# KiCad board pi_attenuator_panel.kicad_pcb
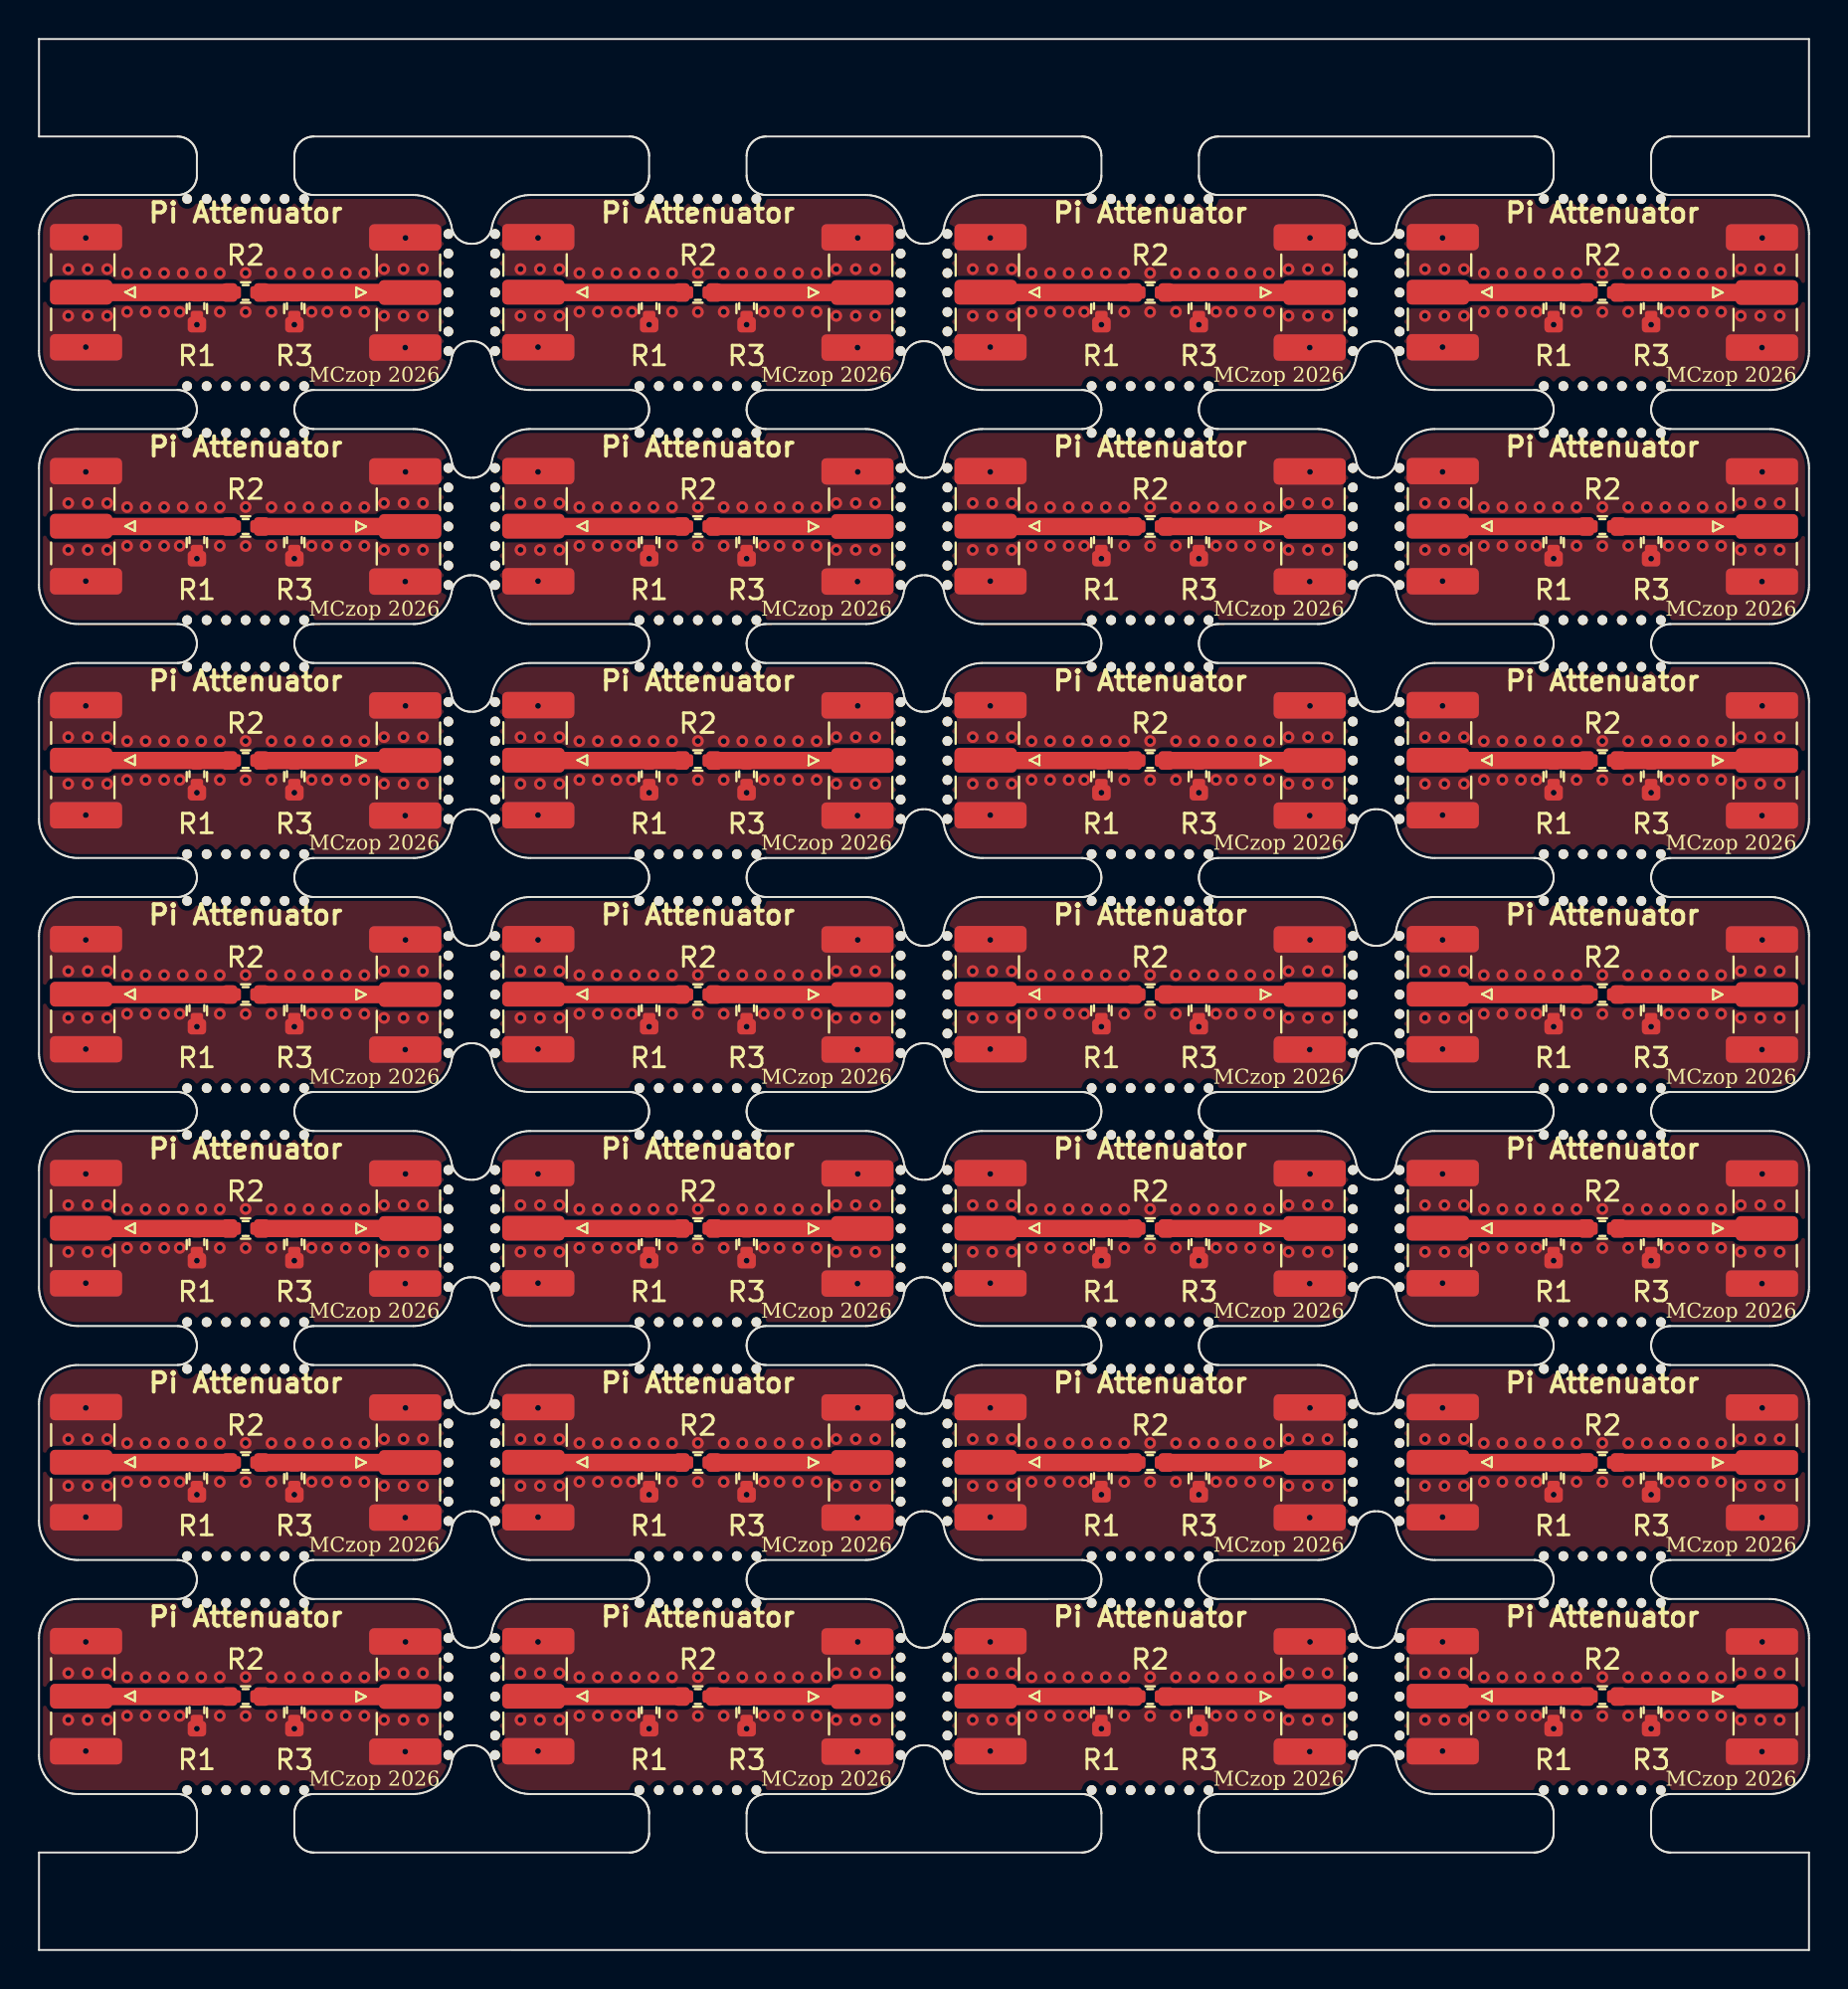
[diagram p0: board, top side]
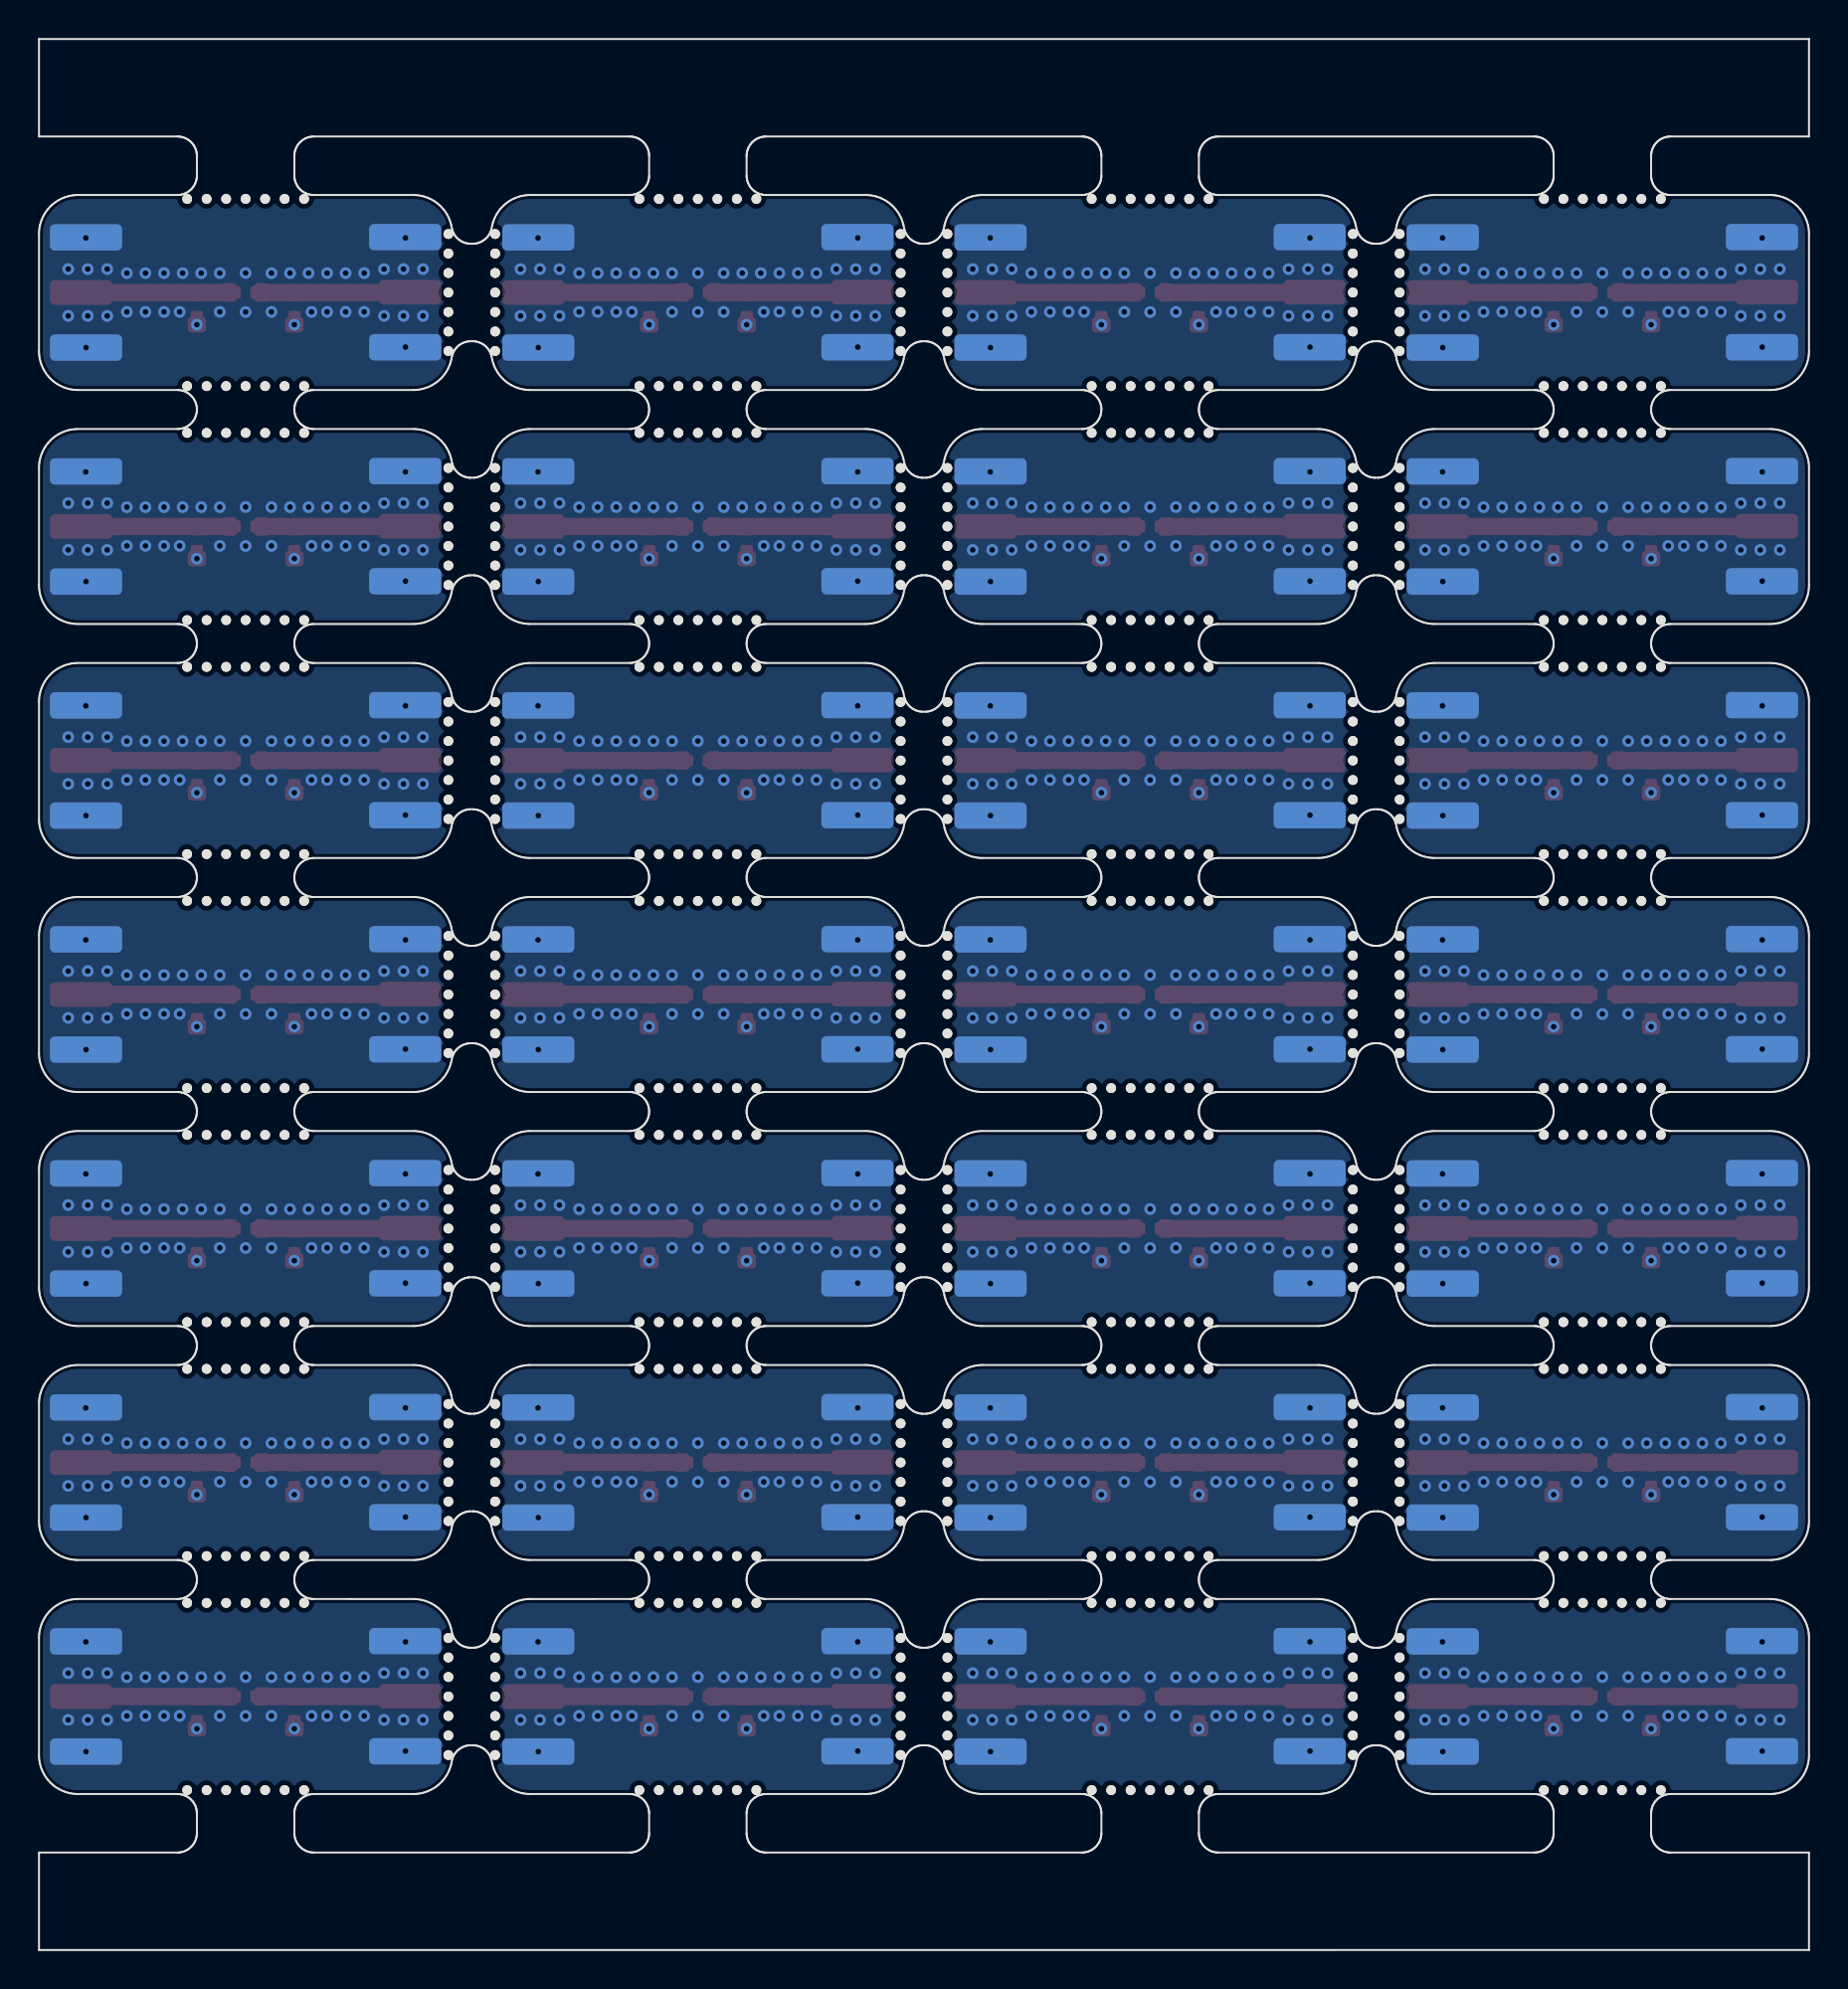
[diagram p1: board, bottom side, seen from below]

Outline 90.8 x 98 mm; copper layers: Top, Bottom. Coordinates in mm from the lower left corner of the outline.

## Placement (name value [footprint] x y rotation side)
J1  RFIN  [SMA_Samtec_SMA-J-P-H-ST-EM1_EdgeMount]  2.16 73.02 180 top
J1#2  RFIN  [SMA_Samtec_SMA-J-P-H-ST-EM1_EdgeMount]  2.16 49.02 180 top
J1#3  RFIN  [SMA_Samtec_SMA-J-P-H-ST-EM1_EdgeMount]  2.16 61.02 180 top
J1#4  RFIN  [SMA_Samtec_SMA-J-P-H-ST-EM1_EdgeMount]  2.16 13.02 180 top
J1#5  RFIN  [SMA_Samtec_SMA-J-P-H-ST-EM1_EdgeMount]  48.56 49.02 180 top
J1#6  RFIN  [SMA_Samtec_SMA-J-P-H-ST-EM1_EdgeMount]  25.36 25.02 180 top
J1#7  RFIN  [SMA_Samtec_SMA-J-P-H-ST-EM1_EdgeMount]  71.76 85.02 180 top
J1#8  RFIN  [SMA_Samtec_SMA-J-P-H-ST-EM1_EdgeMount]  25.36 73.02 180 top
J1#9  RFIN  [SMA_Samtec_SMA-J-P-H-ST-EM1_EdgeMount]  48.56 61.02 180 top
J1#10  RFIN  [SMA_Samtec_SMA-J-P-H-ST-EM1_EdgeMount]  2.16 25.02 180 top
J1#11  RFIN  [SMA_Samtec_SMA-J-P-H-ST-EM1_EdgeMount]  71.76 37.02 180 top
J1#12  RFIN  [SMA_Samtec_SMA-J-P-H-ST-EM1_EdgeMount]  48.56 85.02 180 top
J1#13  RFIN  [SMA_Samtec_SMA-J-P-H-ST-EM1_EdgeMount]  48.56 13.02 180 top
J1#14  RFIN  [SMA_Samtec_SMA-J-P-H-ST-EM1_EdgeMount]  25.36 37.02 180 top
J1#15  RFIN  [SMA_Samtec_SMA-J-P-H-ST-EM1_EdgeMount]  25.36 61.02 180 top
J1#16  RFIN  [SMA_Samtec_SMA-J-P-H-ST-EM1_EdgeMount]  25.36 49.02 180 top
J1#17  RFIN  [SMA_Samtec_SMA-J-P-H-ST-EM1_EdgeMount]  71.76 25.02 180 top
J1#18  RFIN  [SMA_Samtec_SMA-J-P-H-ST-EM1_EdgeMount]  25.36 13.02 180 top
J1#19  RFIN  [SMA_Samtec_SMA-J-P-H-ST-EM1_EdgeMount]  71.76 49.02 180 top
J1#20  RFIN  [SMA_Samtec_SMA-J-P-H-ST-EM1_EdgeMount]  25.36 85.02 180 top
J1#21  RFIN  [SMA_Samtec_SMA-J-P-H-ST-EM1_EdgeMount]  71.76 61.02 180 top
J1#22  RFIN  [SMA_Samtec_SMA-J-P-H-ST-EM1_EdgeMount]  71.76 73.02 180 top
J1#23  RFIN  [SMA_Samtec_SMA-J-P-H-ST-EM1_EdgeMount]  71.76 13.02 180 top
J1#24  RFIN  [SMA_Samtec_SMA-J-P-H-ST-EM1_EdgeMount]  48.56 25.02 180 top
J1#25  RFIN  [SMA_Samtec_SMA-J-P-H-ST-EM1_EdgeMount]  48.56 37.02 180 top
J1#26  RFIN  [SMA_Samtec_SMA-J-P-H-ST-EM1_EdgeMount]  2.16 85.02 180 top
J1#27  RFIN  [SMA_Samtec_SMA-J-P-H-ST-EM1_EdgeMount]  2.16 37.02 180 top
J1#28  RFIN  [SMA_Samtec_SMA-J-P-H-ST-EM1_EdgeMount]  48.56 73.02 180 top
J2  RFOUT  [SMA_Samtec_SMA-J-P-H-ST-EM1_EdgeMount]  88.64 73 0 top
J2#2  RFOUT  [SMA_Samtec_SMA-J-P-H-ST-EM1_EdgeMount]  42.24 49 0 top
J2#3  RFOUT  [SMA_Samtec_SMA-J-P-H-ST-EM1_EdgeMount]  19.04 85 0 top
J2#4  RFOUT  [SMA_Samtec_SMA-J-P-H-ST-EM1_EdgeMount]  19.04 25 0 top
J2#5  RFOUT  [SMA_Samtec_SMA-J-P-H-ST-EM1_EdgeMount]  42.24 37 0 top
J2#6  RFOUT  [SMA_Samtec_SMA-J-P-H-ST-EM1_EdgeMount]  88.64 85 0 top
J2#7  RFOUT  [SMA_Samtec_SMA-J-P-H-ST-EM1_EdgeMount]  65.44 61 0 top
J2#8  RFOUT  [SMA_Samtec_SMA-J-P-H-ST-EM1_EdgeMount]  42.24 61 0 top
J2#9  RFOUT  [SMA_Samtec_SMA-J-P-H-ST-EM1_EdgeMount]  88.64 37 0 top
J2#10  RFOUT  [SMA_Samtec_SMA-J-P-H-ST-EM1_EdgeMount]  42.24 73 0 top
J2#11  RFOUT  [SMA_Samtec_SMA-J-P-H-ST-EM1_EdgeMount]  42.24 13 0 top
J2#12  RFOUT  [SMA_Samtec_SMA-J-P-H-ST-EM1_EdgeMount]  42.24 85 0 top
J2#13  RFOUT  [SMA_Samtec_SMA-J-P-H-ST-EM1_EdgeMount]  65.44 73 0 top
J2#14  RFOUT  [SMA_Samtec_SMA-J-P-H-ST-EM1_EdgeMount]  88.64 61 0 top
J2#15  RFOUT  [SMA_Samtec_SMA-J-P-H-ST-EM1_EdgeMount]  65.44 25 0 top
J2#16  RFOUT  [SMA_Samtec_SMA-J-P-H-ST-EM1_EdgeMount]  65.44 49 0 top
J2#17  RFOUT  [SMA_Samtec_SMA-J-P-H-ST-EM1_EdgeMount]  88.64 13 0 top
J2#18  RFOUT  [SMA_Samtec_SMA-J-P-H-ST-EM1_EdgeMount]  65.44 85 0 top
J2#19  RFOUT  [SMA_Samtec_SMA-J-P-H-ST-EM1_EdgeMount]  65.44 37 0 top
J2#20  RFOUT  [SMA_Samtec_SMA-J-P-H-ST-EM1_EdgeMount]  19.04 73 0 top
J2#21  RFOUT  [SMA_Samtec_SMA-J-P-H-ST-EM1_EdgeMount]  19.04 49 0 top
J2#22  RFOUT  [SMA_Samtec_SMA-J-P-H-ST-EM1_EdgeMount]  19.04 13 0 top
J2#23  RFOUT  [SMA_Samtec_SMA-J-P-H-ST-EM1_EdgeMount]  42.24 25 0 top
J2#24  RFOUT  [SMA_Samtec_SMA-J-P-H-ST-EM1_EdgeMount]  19.04 37 0 top
J2#25  RFOUT  [SMA_Samtec_SMA-J-P-H-ST-EM1_EdgeMount]  19.04 61 0 top
J2#26  RFOUT  [SMA_Samtec_SMA-J-P-H-ST-EM1_EdgeMount]  88.64 49 0 top
J2#27  RFOUT  [SMA_Samtec_SMA-J-P-H-ST-EM1_EdgeMount]  88.64 25 0 top
J2#28  RFOUT  [SMA_Samtec_SMA-J-P-H-ST-EM1_EdgeMount]  65.44 13 0 top
KiKit_MB_1_1  -  [NPTH]  21 88 0 top
KiKit_MB_1_2  -  [NPTH]  21 87 0 top
KiKit_MB_1_3  -  [NPTH]  21 86 0 top
KiKit_MB_1_4  -  [NPTH]  21 85 0 top
KiKit_MB_1_5  -  [NPTH]  21 84 0 top
KiKit_MB_1_6  -  [NPTH]  21 83 0 top
KiKit_MB_1_7  -  [NPTH]  21 82 0 top
KiKit_MB_2_1  -  [NPTH]  7.6 89.8 0 top
KiKit_MB_2_2  -  [NPTH]  8.6 89.8 0 top
KiKit_MB_2_3  -  [NPTH]  9.6 89.8 0 top
KiKit_MB_2_4  -  [NPTH]  10.6 89.8 0 top
KiKit_MB_2_5  -  [NPTH]  11.6 89.8 0 top
KiKit_MB_2_6  -  [NPTH]  12.6 89.8 0 top
KiKit_MB_2_7  -  [NPTH]  13.6 89.8 0 top
KiKit_MB_3_1  -  [NPTH]  13.6 80.2 0 top
KiKit_MB_3_2  -  [NPTH]  12.6 80.2 0 top
KiKit_MB_3_3  -  [NPTH]  11.6 80.2 0 top
KiKit_MB_3_4  -  [NPTH]  10.6 80.2 0 top
KiKit_MB_3_5  -  [NPTH]  9.6 80.2 0 top
KiKit_MB_3_6  -  [NPTH]  8.6 80.2 0 top
KiKit_MB_3_7  -  [NPTH]  7.6 80.2 0 top
KiKit_MB_4_1  -  [NPTH]  23.4 82 0 top
KiKit_MB_4_2  -  [NPTH]  23.4 83 0 top
KiKit_MB_4_3  -  [NPTH]  23.4 84 0 top
KiKit_MB_4_4  -  [NPTH]  23.4 85 0 top
KiKit_MB_4_5  -  [NPTH]  23.4 86 0 top
KiKit_MB_4_6  -  [NPTH]  23.4 87 0 top
KiKit_MB_4_7  -  [NPTH]  23.4 88 0 top
KiKit_MB_5_1  -  [NPTH]  44.2 88 0 top
KiKit_MB_5_2  -  [NPTH]  44.2 87 0 top
KiKit_MB_5_3  -  [NPTH]  44.2 86 0 top
KiKit_MB_5_4  -  [NPTH]  44.2 85 0 top
KiKit_MB_5_5  -  [NPTH]  44.2 84 0 top
KiKit_MB_5_6  -  [NPTH]  44.2 83 0 top
KiKit_MB_5_7  -  [NPTH]  44.2 82 0 top
KiKit_MB_6_1  -  [NPTH]  30.8 89.8 0 top
KiKit_MB_6_2  -  [NPTH]  31.8 89.8 0 top
KiKit_MB_6_3  -  [NPTH]  32.8 89.8 0 top
KiKit_MB_6_4  -  [NPTH]  33.8 89.8 0 top
KiKit_MB_6_5  -  [NPTH]  34.8 89.8 0 top
KiKit_MB_6_6  -  [NPTH]  35.8 89.8 0 top
KiKit_MB_6_7  -  [NPTH]  36.8 89.8 0 top
KiKit_MB_7_1  -  [NPTH]  36.8 80.2 0 top
KiKit_MB_7_2  -  [NPTH]  35.8 80.2 0 top
KiKit_MB_7_3  -  [NPTH]  34.8 80.2 0 top
KiKit_MB_7_4  -  [NPTH]  33.8 80.2 0 top
KiKit_MB_7_5  -  [NPTH]  32.8 80.2 0 top
KiKit_MB_7_6  -  [NPTH]  31.8 80.2 0 top
KiKit_MB_7_7  -  [NPTH]  30.8 80.2 0 top
KiKit_MB_8_1  -  [NPTH]  46.6 82 0 top
KiKit_MB_8_2  -  [NPTH]  46.6 83 0 top
KiKit_MB_8_3  -  [NPTH]  46.6 84 0 top
KiKit_MB_8_4  -  [NPTH]  46.6 85 0 top
KiKit_MB_8_5  -  [NPTH]  46.6 86 0 top
KiKit_MB_8_6  -  [NPTH]  46.6 87 0 top
KiKit_MB_8_7  -  [NPTH]  46.6 88 0 top
KiKit_MB_9_1  -  [NPTH]  67.4 88 0 top
KiKit_MB_9_2  -  [NPTH]  67.4 87 0 top
KiKit_MB_9_3  -  [NPTH]  67.4 86 0 top
KiKit_MB_9_4  -  [NPTH]  67.4 85 0 top
KiKit_MB_9_5  -  [NPTH]  67.4 84 0 top
KiKit_MB_9_6  -  [NPTH]  67.4 83 0 top
KiKit_MB_9_7  -  [NPTH]  67.4 82 0 top
KiKit_MB_10_1  -  [NPTH]  54 89.8 0 top
KiKit_MB_10_2  -  [NPTH]  55 89.8 0 top
KiKit_MB_10_3  -  [NPTH]  56 89.8 0 top
KiKit_MB_10_4  -  [NPTH]  57 89.8 0 top
KiKit_MB_10_5  -  [NPTH]  58 89.8 0 top
KiKit_MB_10_6  -  [NPTH]  59 89.8 0 top
KiKit_MB_10_7  -  [NPTH]  60 89.8 0 top
KiKit_MB_11_1  -  [NPTH]  60 80.2 0 top
KiKit_MB_11_2  -  [NPTH]  59 80.2 0 top
KiKit_MB_11_3  -  [NPTH]  58 80.2 0 top
KiKit_MB_11_4  -  [NPTH]  57 80.2 0 top
KiKit_MB_11_5  -  [NPTH]  56 80.2 0 top
KiKit_MB_11_6  -  [NPTH]  55 80.2 0 top
KiKit_MB_11_7  -  [NPTH]  54 80.2 0 top
KiKit_MB_12_1  -  [NPTH]  69.8 82 0 top
KiKit_MB_12_2  -  [NPTH]  69.8 83 0 top
KiKit_MB_12_3  -  [NPTH]  69.8 84 0 top
KiKit_MB_12_4  -  [NPTH]  69.8 85 0 top
KiKit_MB_12_5  -  [NPTH]  69.8 86 0 top
KiKit_MB_12_6  -  [NPTH]  69.8 87 0 top
KiKit_MB_12_7  -  [NPTH]  69.8 88 0 top
KiKit_MB_13_1  -  [NPTH]  77.2 89.8 0 top
KiKit_MB_13_2  -  [NPTH]  78.2 89.8 0 top
KiKit_MB_13_3  -  [NPTH]  79.2 89.8 0 top
KiKit_MB_13_4  -  [NPTH]  80.2 89.8 0 top
KiKit_MB_13_5  -  [NPTH]  81.2 89.8 0 top
KiKit_MB_13_6  -  [NPTH]  82.2 89.8 0 top
KiKit_MB_13_7  -  [NPTH]  83.2 89.8 0 top
KiKit_MB_14_1  -  [NPTH]  83.2 80.2 0 top
KiKit_MB_14_2  -  [NPTH]  82.2 80.2 0 top
KiKit_MB_14_3  -  [NPTH]  81.2 80.2 0 top
KiKit_MB_14_4  -  [NPTH]  80.2 80.2 0 top
KiKit_MB_14_5  -  [NPTH]  79.2 80.2 0 top
KiKit_MB_14_6  -  [NPTH]  78.2 80.2 0 top
KiKit_MB_14_7  -  [NPTH]  77.2 80.2 0 top
KiKit_MB_15_1  -  [NPTH]  21 76 0 top
KiKit_MB_15_2  -  [NPTH]  21 75 0 top
KiKit_MB_15_3  -  [NPTH]  21 74 0 top
KiKit_MB_15_4  -  [NPTH]  21 73 0 top
KiKit_MB_15_5  -  [NPTH]  21 72 0 top
KiKit_MB_15_6  -  [NPTH]  21 71 0 top
KiKit_MB_15_7  -  [NPTH]  21 70 0 top
KiKit_MB_16_1  -  [NPTH]  7.6 77.8 0 top
KiKit_MB_16_2  -  [NPTH]  8.6 77.8 0 top
KiKit_MB_16_3  -  [NPTH]  9.6 77.8 0 top
KiKit_MB_16_4  -  [NPTH]  10.6 77.8 0 top
KiKit_MB_16_5  -  [NPTH]  11.6 77.8 0 top
KiKit_MB_16_6  -  [NPTH]  12.6 77.8 0 top
KiKit_MB_16_7  -  [NPTH]  13.6 77.8 0 top
KiKit_MB_17_1  -  [NPTH]  13.6 68.2 0 top
KiKit_MB_17_2  -  [NPTH]  12.6 68.2 0 top
KiKit_MB_17_3  -  [NPTH]  11.6 68.2 0 top
KiKit_MB_17_4  -  [NPTH]  10.6 68.2 0 top
KiKit_MB_17_5  -  [NPTH]  9.6 68.2 0 top
KiKit_MB_17_6  -  [NPTH]  8.6 68.2 0 top
KiKit_MB_17_7  -  [NPTH]  7.6 68.2 0 top
KiKit_MB_18_1  -  [NPTH]  23.4 70 0 top
KiKit_MB_18_2  -  [NPTH]  23.4 71 0 top
KiKit_MB_18_3  -  [NPTH]  23.4 72 0 top
KiKit_MB_18_4  -  [NPTH]  23.4 73 0 top
KiKit_MB_18_5  -  [NPTH]  23.4 74 0 top
KiKit_MB_18_6  -  [NPTH]  23.4 75 0 top
KiKit_MB_18_7  -  [NPTH]  23.4 76 0 top
KiKit_MB_19_1  -  [NPTH]  44.2 76 0 top
KiKit_MB_19_2  -  [NPTH]  44.2 75 0 top
KiKit_MB_19_3  -  [NPTH]  44.2 74 0 top
KiKit_MB_19_4  -  [NPTH]  44.2 73 0 top
KiKit_MB_19_5  -  [NPTH]  44.2 72 0 top
KiKit_MB_19_6  -  [NPTH]  44.2 71 0 top
KiKit_MB_19_7  -  [NPTH]  44.2 70 0 top
KiKit_MB_20_1  -  [NPTH]  30.8 77.8 0 top
KiKit_MB_20_2  -  [NPTH]  31.8 77.8 0 top
KiKit_MB_20_3  -  [NPTH]  32.8 77.8 0 top
KiKit_MB_20_4  -  [NPTH]  33.8 77.8 0 top
KiKit_MB_20_5  -  [NPTH]  34.8 77.8 0 top
KiKit_MB_20_6  -  [NPTH]  35.8 77.8 0 top
KiKit_MB_20_7  -  [NPTH]  36.8 77.8 0 top
KiKit_MB_21_1  -  [NPTH]  36.8 68.2 0 top
KiKit_MB_21_2  -  [NPTH]  35.8 68.2 0 top
KiKit_MB_21_3  -  [NPTH]  34.8 68.2 0 top
KiKit_MB_21_4  -  [NPTH]  33.8 68.2 0 top
KiKit_MB_21_5  -  [NPTH]  32.8 68.2 0 top
KiKit_MB_21_6  -  [NPTH]  31.8 68.2 0 top
KiKit_MB_21_7  -  [NPTH]  30.8 68.2 0 top
KiKit_MB_22_1  -  [NPTH]  46.6 70 0 top
KiKit_MB_22_2  -  [NPTH]  46.6 71 0 top
KiKit_MB_22_3  -  [NPTH]  46.6 72 0 top
KiKit_MB_22_4  -  [NPTH]  46.6 73 0 top
KiKit_MB_22_5  -  [NPTH]  46.6 74 0 top
KiKit_MB_22_6  -  [NPTH]  46.6 75 0 top
KiKit_MB_22_7  -  [NPTH]  46.6 76 0 top
KiKit_MB_23_1  -  [NPTH]  67.4 76 0 top
KiKit_MB_23_2  -  [NPTH]  67.4 75 0 top
KiKit_MB_23_3  -  [NPTH]  67.4 74 0 top
KiKit_MB_23_4  -  [NPTH]  67.4 73 0 top
KiKit_MB_23_5  -  [NPTH]  67.4 72 0 top
KiKit_MB_23_6  -  [NPTH]  67.4 71 0 top
KiKit_MB_23_7  -  [NPTH]  67.4 70 0 top
KiKit_MB_24_1  -  [NPTH]  54 77.8 0 top
KiKit_MB_24_2  -  [NPTH]  55 77.8 0 top
KiKit_MB_24_3  -  [NPTH]  56 77.8 0 top
KiKit_MB_24_4  -  [NPTH]  57 77.8 0 top
KiKit_MB_24_5  -  [NPTH]  58 77.8 0 top
KiKit_MB_24_6  -  [NPTH]  59 77.8 0 top
KiKit_MB_24_7  -  [NPTH]  60 77.8 0 top
KiKit_MB_25_1  -  [NPTH]  60 68.2 0 top
KiKit_MB_25_2  -  [NPTH]  59 68.2 0 top
KiKit_MB_25_3  -  [NPTH]  58 68.2 0 top
KiKit_MB_25_4  -  [NPTH]  57 68.2 0 top
KiKit_MB_25_5  -  [NPTH]  56 68.2 0 top
KiKit_MB_25_6  -  [NPTH]  55 68.2 0 top
KiKit_MB_25_7  -  [NPTH]  54 68.2 0 top
KiKit_MB_26_1  -  [NPTH]  69.8 70 0 top
KiKit_MB_26_2  -  [NPTH]  69.8 71 0 top
KiKit_MB_26_3  -  [NPTH]  69.8 72 0 top
KiKit_MB_26_4  -  [NPTH]  69.8 73 0 top
KiKit_MB_26_5  -  [NPTH]  69.8 74 0 top
KiKit_MB_26_6  -  [NPTH]  69.8 75 0 top
KiKit_MB_26_7  -  [NPTH]  69.8 76 0 top
KiKit_MB_27_1  -  [NPTH]  77.2 77.8 0 top
KiKit_MB_27_2  -  [NPTH]  78.2 77.8 0 top
KiKit_MB_27_3  -  [NPTH]  79.2 77.8 0 top
KiKit_MB_27_4  -  [NPTH]  80.2 77.8 0 top
KiKit_MB_27_5  -  [NPTH]  81.2 77.8 0 top
KiKit_MB_27_6  -  [NPTH]  82.2 77.8 0 top
KiKit_MB_27_7  -  [NPTH]  83.2 77.8 0 top
KiKit_MB_28_1  -  [NPTH]  83.2 68.2 0 top
KiKit_MB_28_2  -  [NPTH]  82.2 68.2 0 top
KiKit_MB_28_3  -  [NPTH]  81.2 68.2 0 top
KiKit_MB_28_4  -  [NPTH]  80.2 68.2 0 top
KiKit_MB_28_5  -  [NPTH]  79.2 68.2 0 top
KiKit_MB_28_6  -  [NPTH]  78.2 68.2 0 top
KiKit_MB_28_7  -  [NPTH]  77.2 68.2 0 top
KiKit_MB_29_1  -  [NPTH]  21 64 0 top
KiKit_MB_29_2  -  [NPTH]  21 63 0 top
KiKit_MB_29_3  -  [NPTH]  21 62 0 top
KiKit_MB_29_4  -  [NPTH]  21 61 0 top
KiKit_MB_29_5  -  [NPTH]  21 60 0 top
KiKit_MB_29_6  -  [NPTH]  21 59 0 top
KiKit_MB_29_7  -  [NPTH]  21 58 0 top
KiKit_MB_30_1  -  [NPTH]  7.6 65.8 0 top
KiKit_MB_30_2  -  [NPTH]  8.6 65.8 0 top
KiKit_MB_30_3  -  [NPTH]  9.6 65.8 0 top
KiKit_MB_30_4  -  [NPTH]  10.6 65.8 0 top
KiKit_MB_30_5  -  [NPTH]  11.6 65.8 0 top
KiKit_MB_30_6  -  [NPTH]  12.6 65.8 0 top
KiKit_MB_30_7  -  [NPTH]  13.6 65.8 0 top
KiKit_MB_31_1  -  [NPTH]  13.6 56.2 0 top
KiKit_MB_31_2  -  [NPTH]  12.6 56.2 0 top
KiKit_MB_31_3  -  [NPTH]  11.6 56.2 0 top
KiKit_MB_31_4  -  [NPTH]  10.6 56.2 0 top
KiKit_MB_31_5  -  [NPTH]  9.6 56.2 0 top
KiKit_MB_31_6  -  [NPTH]  8.6 56.2 0 top
KiKit_MB_31_7  -  [NPTH]  7.6 56.2 0 top
KiKit_MB_32_1  -  [NPTH]  23.4 58 0 top
KiKit_MB_32_2  -  [NPTH]  23.4 59 0 top
KiKit_MB_32_3  -  [NPTH]  23.4 60 0 top
KiKit_MB_32_4  -  [NPTH]  23.4 61 0 top
KiKit_MB_32_5  -  [NPTH]  23.4 62 0 top
KiKit_MB_32_6  -  [NPTH]  23.4 63 0 top
KiKit_MB_32_7  -  [NPTH]  23.4 64 0 top
KiKit_MB_33_1  -  [NPTH]  44.2 64 0 top
KiKit_MB_33_2  -  [NPTH]  44.2 63 0 top
KiKit_MB_33_3  -  [NPTH]  44.2 62 0 top
KiKit_MB_33_4  -  [NPTH]  44.2 61 0 top
KiKit_MB_33_5  -  [NPTH]  44.2 60 0 top
KiKit_MB_33_6  -  [NPTH]  44.2 59 0 top
KiKit_MB_33_7  -  [NPTH]  44.2 58 0 top
KiKit_MB_34_1  -  [NPTH]  30.8 65.8 0 top
KiKit_MB_34_2  -  [NPTH]  31.8 65.8 0 top
KiKit_MB_34_3  -  [NPTH]  32.8 65.8 0 top
KiKit_MB_34_4  -  [NPTH]  33.8 65.8 0 top
KiKit_MB_34_5  -  [NPTH]  34.8 65.8 0 top
KiKit_MB_34_6  -  [NPTH]  35.8 65.8 0 top
KiKit_MB_34_7  -  [NPTH]  36.8 65.8 0 top
KiKit_MB_35_1  -  [NPTH]  36.8 56.2 0 top
KiKit_MB_35_2  -  [NPTH]  35.8 56.2 0 top
KiKit_MB_35_3  -  [NPTH]  34.8 56.2 0 top
KiKit_MB_35_4  -  [NPTH]  33.8 56.2 0 top
KiKit_MB_35_5  -  [NPTH]  32.8 56.2 0 top
KiKit_MB_35_6  -  [NPTH]  31.8 56.2 0 top
KiKit_MB_35_7  -  [NPTH]  30.8 56.2 0 top
KiKit_MB_36_1  -  [NPTH]  46.6 58 0 top
KiKit_MB_36_2  -  [NPTH]  46.6 59 0 top
KiKit_MB_36_3  -  [NPTH]  46.6 60 0 top
KiKit_MB_36_4  -  [NPTH]  46.6 61 0 top
KiKit_MB_36_5  -  [NPTH]  46.6 62 0 top
KiKit_MB_36_6  -  [NPTH]  46.6 63 0 top
KiKit_MB_36_7  -  [NPTH]  46.6 64 0 top
KiKit_MB_37_1  -  [NPTH]  67.4 64 0 top
KiKit_MB_37_2  -  [NPTH]  67.4 63 0 top
KiKit_MB_37_3  -  [NPTH]  67.4 62 0 top
KiKit_MB_37_4  -  [NPTH]  67.4 61 0 top
KiKit_MB_37_5  -  [NPTH]  67.4 60 0 top
KiKit_MB_37_6  -  [NPTH]  67.4 59 0 top
KiKit_MB_37_7  -  [NPTH]  67.4 58 0 top
KiKit_MB_38_1  -  [NPTH]  54 65.8 0 top
KiKit_MB_38_2  -  [NPTH]  55 65.8 0 top
KiKit_MB_38_3  -  [NPTH]  56 65.8 0 top
KiKit_MB_38_4  -  [NPTH]  57 65.8 0 top
KiKit_MB_38_5  -  [NPTH]  58 65.8 0 top
KiKit_MB_38_6  -  [NPTH]  59 65.8 0 top
KiKit_MB_38_7  -  [NPTH]  60 65.8 0 top
KiKit_MB_39_1  -  [NPTH]  60 56.2 0 top
KiKit_MB_39_2  -  [NPTH]  59 56.2 0 top
KiKit_MB_39_3  -  [NPTH]  58 56.2 0 top
KiKit_MB_39_4  -  [NPTH]  57 56.2 0 top
KiKit_MB_39_5  -  [NPTH]  56 56.2 0 top
KiKit_MB_39_6  -  [NPTH]  55 56.2 0 top
KiKit_MB_39_7  -  [NPTH]  54 56.2 0 top
KiKit_MB_40_1  -  [NPTH]  69.8 58 0 top
KiKit_MB_40_2  -  [NPTH]  69.8 59 0 top
KiKit_MB_40_3  -  [NPTH]  69.8 60 0 top
KiKit_MB_40_4  -  [NPTH]  69.8 61 0 top
KiKit_MB_40_5  -  [NPTH]  69.8 62 0 top
KiKit_MB_40_6  -  [NPTH]  69.8 63 0 top
KiKit_MB_40_7  -  [NPTH]  69.8 64 0 top
KiKit_MB_41_1  -  [NPTH]  77.2 65.8 0 top
KiKit_MB_41_2  -  [NPTH]  78.2 65.8 0 top
KiKit_MB_41_3  -  [NPTH]  79.2 65.8 0 top
KiKit_MB_41_4  -  [NPTH]  80.2 65.8 0 top
KiKit_MB_41_5  -  [NPTH]  81.2 65.8 0 top
KiKit_MB_41_6  -  [NPTH]  82.2 65.8 0 top
KiKit_MB_41_7  -  [NPTH]  83.2 65.8 0 top
KiKit_MB_42_1  -  [NPTH]  83.2 56.2 0 top
KiKit_MB_42_2  -  [NPTH]  82.2 56.2 0 top
KiKit_MB_42_3  -  [NPTH]  81.2 56.2 0 top
KiKit_MB_42_4  -  [NPTH]  80.2 56.2 0 top
KiKit_MB_42_5  -  [NPTH]  79.2 56.2 0 top
KiKit_MB_42_6  -  [NPTH]  78.2 56.2 0 top
KiKit_MB_42_7  -  [NPTH]  77.2 56.2 0 top
KiKit_MB_43_1  -  [NPTH]  21 52 0 top
KiKit_MB_43_2  -  [NPTH]  21 51 0 top
KiKit_MB_43_3  -  [NPTH]  21 50 0 top
KiKit_MB_43_4  -  [NPTH]  21 49 0 top
KiKit_MB_43_5  -  [NPTH]  21 48 0 top
KiKit_MB_43_6  -  [NPTH]  21 47 0 top
KiKit_MB_43_7  -  [NPTH]  21 46 0 top
KiKit_MB_44_1  -  [NPTH]  7.6 53.8 0 top
KiKit_MB_44_2  -  [NPTH]  8.6 53.8 0 top
KiKit_MB_44_3  -  [NPTH]  9.6 53.8 0 top
KiKit_MB_44_4  -  [NPTH]  10.6 53.8 0 top
KiKit_MB_44_5  -  [NPTH]  11.6 53.8 0 top
KiKit_MB_44_6  -  [NPTH]  12.6 53.8 0 top
KiKit_MB_44_7  -  [NPTH]  13.6 53.8 0 top
KiKit_MB_45_1  -  [NPTH]  13.6 44.2 0 top
KiKit_MB_45_2  -  [NPTH]  12.6 44.2 0 top
KiKit_MB_45_3  -  [NPTH]  11.6 44.2 0 top
KiKit_MB_45_4  -  [NPTH]  10.6 44.2 0 top
KiKit_MB_45_5  -  [NPTH]  9.6 44.2 0 top
KiKit_MB_45_6  -  [NPTH]  8.6 44.2 0 top
KiKit_MB_45_7  -  [NPTH]  7.6 44.2 0 top
KiKit_MB_46_1  -  [NPTH]  23.4 46 0 top
KiKit_MB_46_2  -  [NPTH]  23.4 47 0 top
KiKit_MB_46_3  -  [NPTH]  23.4 48 0 top
KiKit_MB_46_4  -  [NPTH]  23.4 49 0 top
KiKit_MB_46_5  -  [NPTH]  23.4 50 0 top
KiKit_MB_46_6  -  [NPTH]  23.4 51 0 top
KiKit_MB_46_7  -  [NPTH]  23.4 52 0 top
KiKit_MB_47_1  -  [NPTH]  44.2 52 0 top
KiKit_MB_47_2  -  [NPTH]  44.2 51 0 top
KiKit_MB_47_3  -  [NPTH]  44.2 50 0 top
KiKit_MB_47_4  -  [NPTH]  44.2 49 0 top
KiKit_MB_47_5  -  [NPTH]  44.2 48 0 top
KiKit_MB_47_6  -  [NPTH]  44.2 47 0 top
KiKit_MB_47_7  -  [NPTH]  44.2 46 0 top
KiKit_MB_48_1  -  [NPTH]  30.8 53.8 0 top
KiKit_MB_48_2  -  [NPTH]  31.8 53.8 0 top
KiKit_MB_48_3  -  [NPTH]  32.8 53.8 0 top
KiKit_MB_48_4  -  [NPTH]  33.8 53.8 0 top
KiKit_MB_48_5  -  [NPTH]  34.8 53.8 0 top
KiKit_MB_48_6  -  [NPTH]  35.8 53.8 0 top
KiKit_MB_48_7  -  [NPTH]  36.8 53.8 0 top
KiKit_MB_49_1  -  [NPTH]  36.8 44.2 0 top
KiKit_MB_49_2  -  [NPTH]  35.8 44.2 0 top
KiKit_MB_49_3  -  [NPTH]  34.8 44.2 0 top
KiKit_MB_49_4  -  [NPTH]  33.8 44.2 0 top
KiKit_MB_49_5  -  [NPTH]  32.8 44.2 0 top
KiKit_MB_49_6  -  [NPTH]  31.8 44.2 0 top
KiKit_MB_49_7  -  [NPTH]  30.8 44.2 0 top
KiKit_MB_50_1  -  [NPTH]  46.6 46 0 top
KiKit_MB_50_2  -  [NPTH]  46.6 47 0 top
KiKit_MB_50_3  -  [NPTH]  46.6 48 0 top
KiKit_MB_50_4  -  [NPTH]  46.6 49 0 top
KiKit_MB_50_5  -  [NPTH]  46.6 50 0 top
KiKit_MB_50_6  -  [NPTH]  46.6 51 0 top
KiKit_MB_50_7  -  [NPTH]  46.6 52 0 top
KiKit_MB_51_1  -  [NPTH]  67.4 52 0 top
KiKit_MB_51_2  -  [NPTH]  67.4 51 0 top
KiKit_MB_51_3  -  [NPTH]  67.4 50 0 top
KiKit_MB_51_4  -  [NPTH]  67.4 49 0 top
KiKit_MB_51_5  -  [NPTH]  67.4 48 0 top
KiKit_MB_51_6  -  [NPTH]  67.4 47 0 top
KiKit_MB_51_7  -  [NPTH]  67.4 46 0 top
KiKit_MB_52_1  -  [NPTH]  54 53.8 0 top
KiKit_MB_52_2  -  [NPTH]  55 53.8 0 top